# Altium PCB Steam_dev_kit_revised.PcbDoc (part 2 of 3)
Units mil, origin at the board's own origin, x right, y up, seen from the top; angles counter-clockwise.
Board outline 3928.81 x 3902.03 mil, 2 copper layers (Top Layer, Bottom Layer); 218 components, 238 nets, 968 pads, 458 vias.
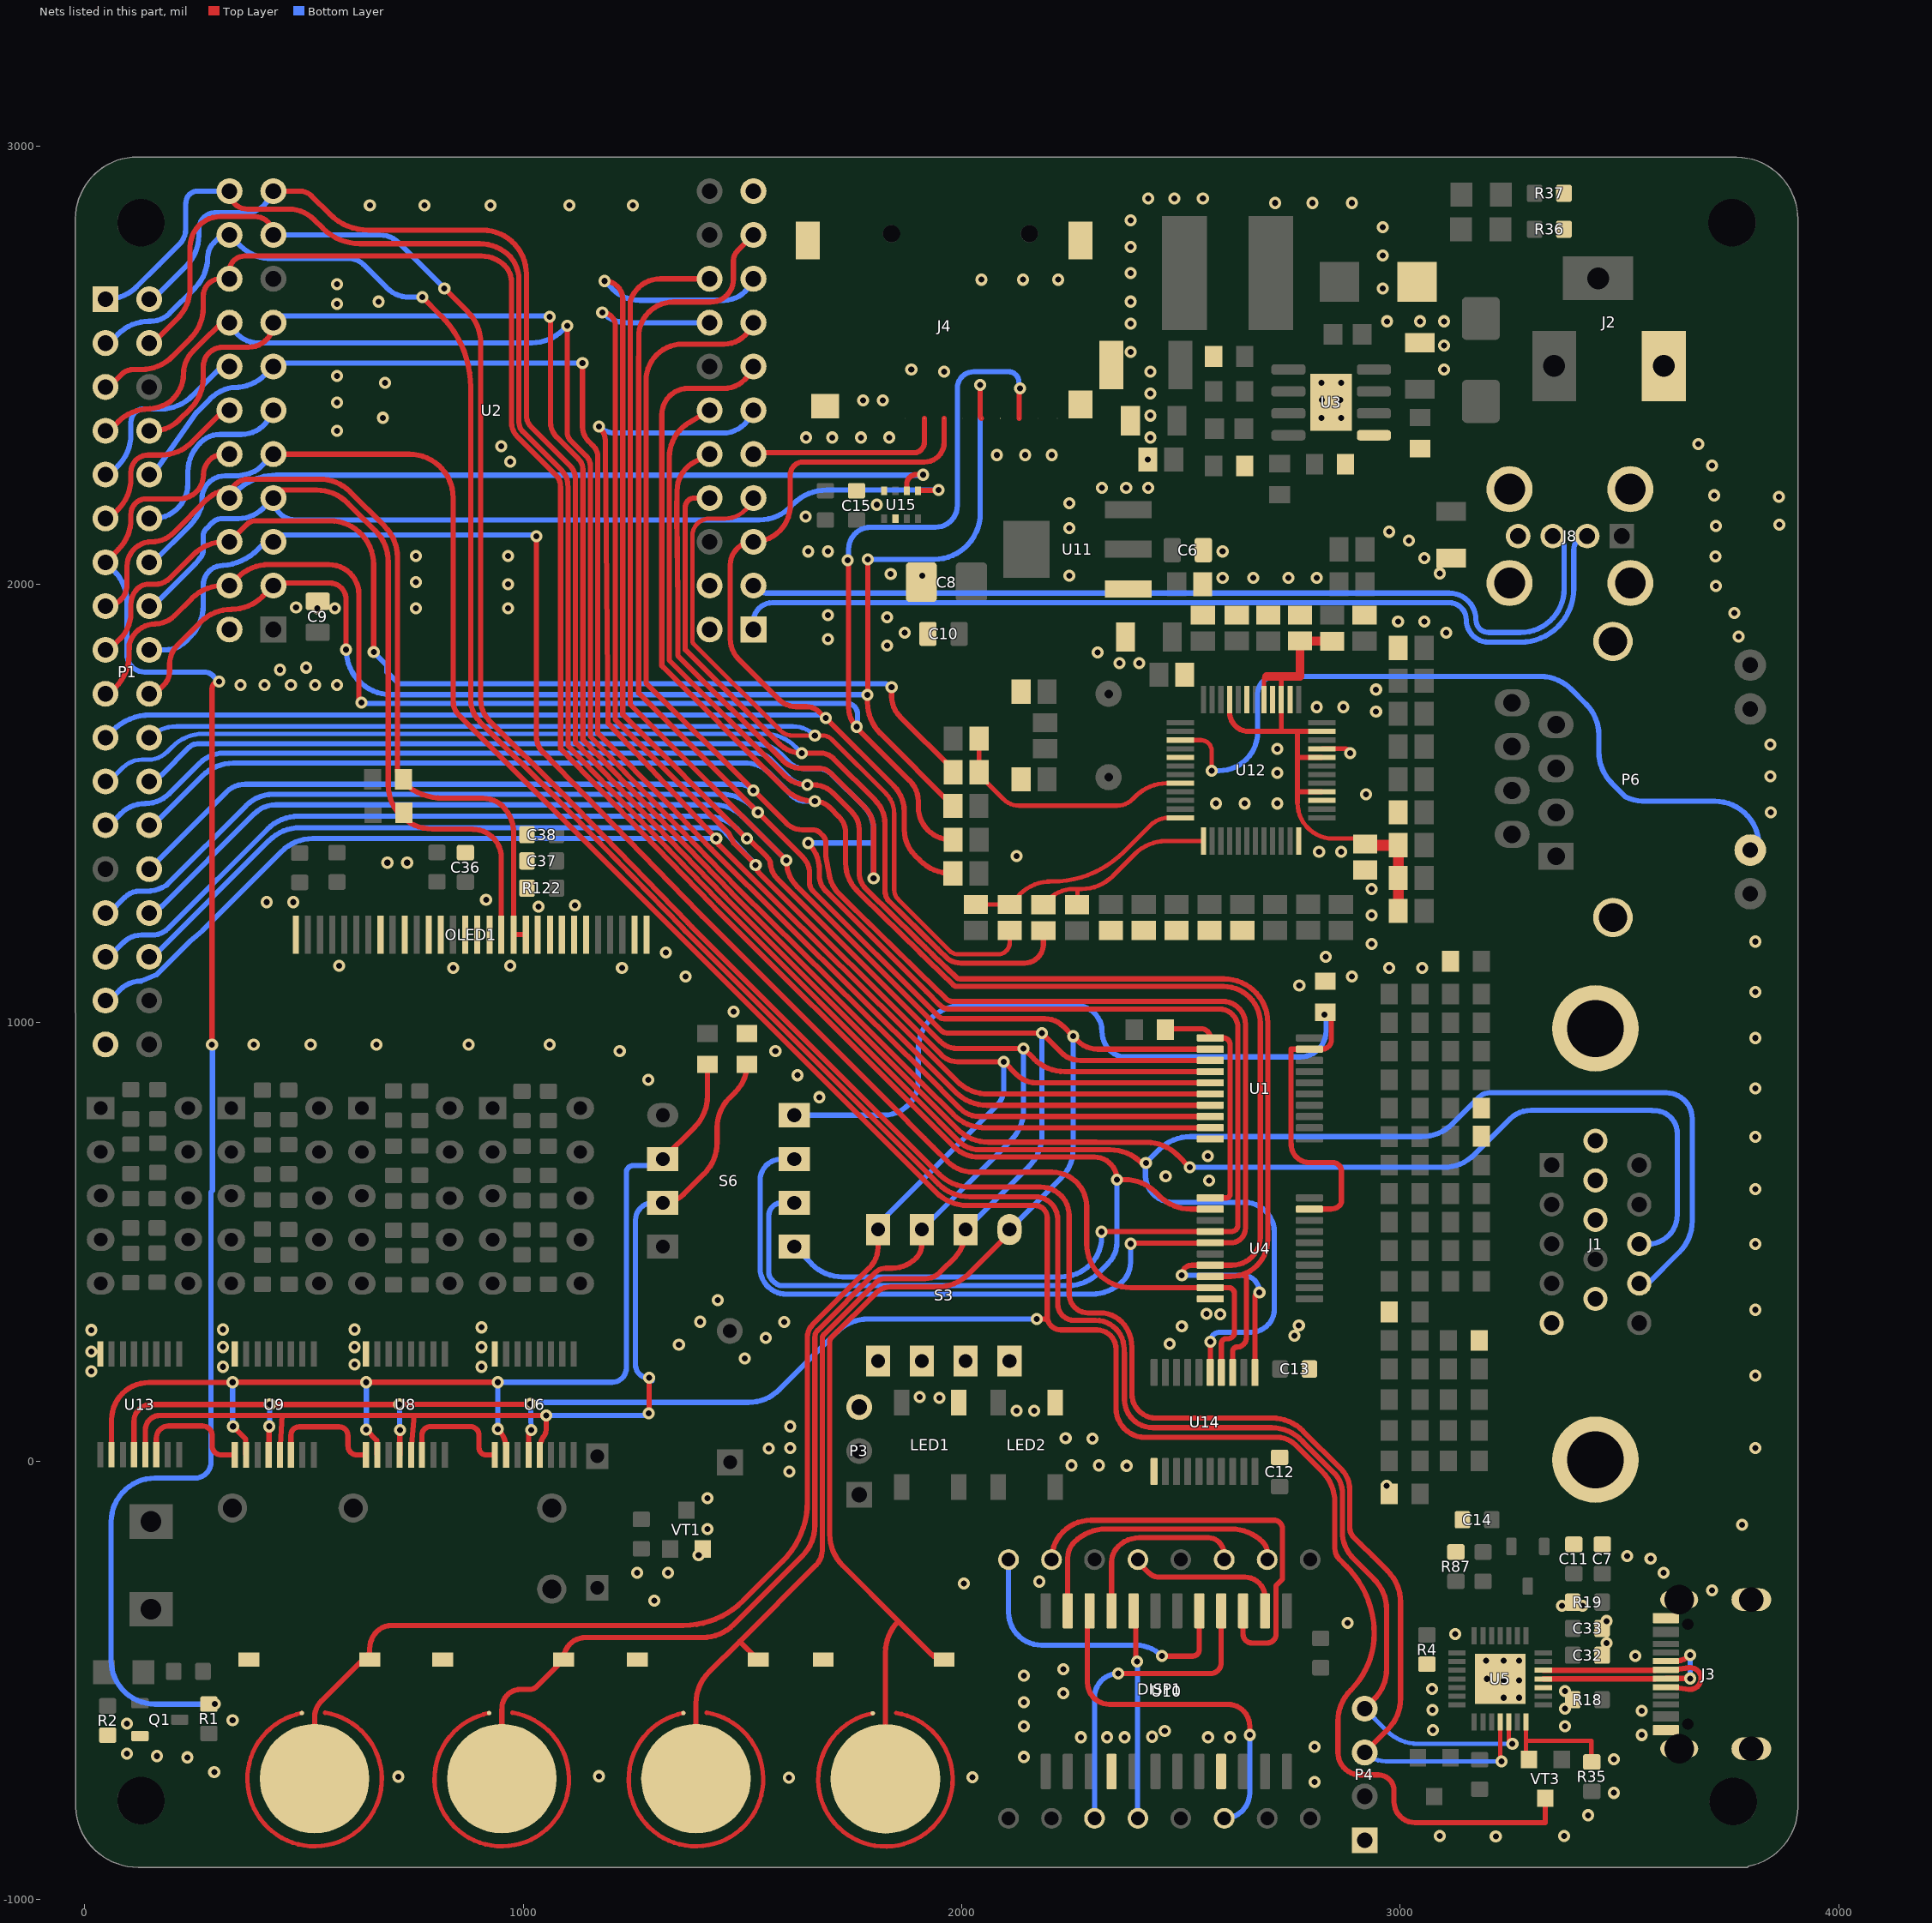
[diagram p2: the nets of this part, all layers, seen from the top]

## Via types
v1: diameter 27.56, hole 13.78, Top Layer to Bottom Layer, tented both sides, 454 vias
v2: diameter 27.56, hole 13.78, Top Layer to Bottom Layer, 2 vias
v3: diameter 140, hole 140, Top Layer to Bottom Layer, tented both sides, 2 vias

## Nets (pads, with @x,y where several pads share a name; then routed paths per layer and width w, separated by ;. In a path a pad name is that pad's centre, name@x,y a point inside that pad or via, vN(x,y) a via of type N, cw(c..) or ccw(c..) an arc to the next point about the centre after c; other vN are vias at no path point) (continued)
7SEG_LATCH: P1.14 U2.L9 U6.12 U8.12 U9.12 U13.12 VT3.3 | length 8217.6
  Top Layer w12: U13.12@112,14.3 112,90.43 cw(c150.57,90.43) 150.57,128.99 378.76,129 v1(422,129) v1(717,129) 717.22,129.22 1015.22,129.22 v1(1016,130) ; U9.12@419,14 420,15 420,78 v1(421,79) ; U2.L9@430,2297 740,2297 cw(c740,2197) 840,2197 840,1732.97 ccw(c883.8,1732.97) 852.83,1702 1058.63,1496.2 1942.54,612.29 ccw(c2013.25,683) 2013.25,583 2167,583 cw(c2167,555) 2195,555 2195,330 ccw(c2226,330) 2196.59,320.2 ; U8.12@718,14 718.5,14.5 718.5,70.5 v1(719,71) ; U6.12@1012,14 1012,56.51 cw(c1032.49,56.51) 1012.21,59.44 cw(c1032.49,56.51) 1012.58,61.37 cw(c1032.49,56.51) v1(1018,71) ; v1(2171.17,324) 2187.41,324 cw(c2187.41,311.02) 2196.59,320.2 ; VT3.3@3331,-769.29 3331,-825 3034,-825 cw(c3034,-777) 2986,-777 2986,-752.12 ccw(c2949.88,-752.12) 2949.96,-716 ccw(c2949.88,-752.12) 2949.88,-716 2908.99,-716 cw(c2909.01,-664.99) 2858,-664.94 2858,-593.42 cw(c2958,-593.42) 2887.25,-522.75 ccw(c2758,-393.42) 2940.84,-393.42 ccw(c2724.58,-393.42) 2877.49,-240.49 2877.44,-240.44 2861.61,-224.61 cw(c2887.21,-199) 2851,-199 2851,-94 ccw(c2752.02,-94) 2822.08,-24.08 2761.11,36.89 ccw(c2719.86,-4.28) 2719.89,54 2719.79,54 2418,54 cw(c2418,120) 2352,120 2352,255.35 ccw(c2308.35,255.35) 2308.35,299 2226,299 cw(c2226,330) 2196.59,320.2
  Bottom Layer w12: P1.14@155,2050 240.71,2135.71 ccw(c170,2206.42) 266.96,2181.96 266.96,2194.7 cw(c319.68,2194.7) 319.68,2247.42 350.08,2247.42 374.18,2252.65 ccw(c371.58,2264.37) 376.38,2253.37 cw(c436.15,2118.27) 386.28,2257.33 ccw(c382.17,2268.6) 387.38,2257.79 ccw(c382.17,2268.6) 387.92,2258.07 ccw(c359.79,2308.69) 397.68,2264.89 ccw(c359.79,2308.69) 400.73,2267.73 U2.L9@430,2297 ; v1(421,79) 421.5,79.5 421.5,128.5 v1(422,129) ; v1(717,129) 718,128 718,72 v1(719,71) ; v1(1018,71) v1(1016,130) 1018.98,132.98 1029.98,132.98 1030.78,133.78 1513.36,133.78 ccw(c1513.36,233.78) 1584.07,163.07 1715.71,294.71 cw(c1786.42,224) 1786.42,324 v1(2171.17,324) ccw(c2171.17,330.83) v1@2176,326
7SEG_PWM: R120.1 S6.3 U6.13 U8.13 U9.13 U13.13 | length 2451.8
  Top Layer w12: U13.13@138,14.3 138,70.99 cw(c171.01,70.99) 171.01,104 450,104 ; U9.13@445,14 446,37 450,104 ; U8.13@744,14 745,37 751,104 ; U6.13@1038,14 1038,29.2 cw(c1085.8,29.2) 1039,38.93 cw(c1085.8,29.2) 1045.29,54.57 ccw(c1029.08,70.78) 1049.41,60.2 ccw(c1029.08,70.78) 1052,70.78 v1(1052,104) 751,104 ; v1(1286,109) ccw(c1286,110) 1287,110 v1(1287,190) ; S6.3@1318,589 ccw(c1318,656.6) 1365.8,608.8 1412.71,655.71 ccw(c1342,726.42) 1442,726.42 1442,761 cw(c1536.15,761) 1469.58,827.58 1484.14,842.14 ccw(c1421.72,904.57) R120.1@1510,904.57 ; 450,104 751,104
  Bottom Layer w12: v1(1052,104) 1281,104 ccw(c1281,109) v1(1286,109) ; v1@1294,183 ccw(c1287,183) v1(1287,190) 1285,190 cw(c1285,219) 1256,219 1256,550 cw(c1295,550) 1295,589 S6.3@1318,589
7SEG_RESET: R32.2 S6.2 U6.10 U8.10 U9.10 U13.10 | length 2646.9
  Top Layer w12: U13.10@61,14.3 61,94 cw(c146,94) 146,179 299.22,179 ccw(c299.22,191) 299.47,179 v1(337,179.78) v1(641.22,179.78) v1(942.12,179.78) ; v1(338,79) 367,50 367,15 U9.10@368,14 ; v1(642,72) 642,71 666,47 666,15 U8.10@667,14 ; v1(942.12,73.12) cw(c896.53,27.53) 953.71,57.32 cw(c896.53,27.53) 960,38.84 cw(c896.53,27.53) 961,27.53 U6.10@961,14 ; S6.2@1318,689 1390.71,761.71 ccw(c1320,832.42) 1420,832.42 R32.2@1420,904.57
  Bottom Layer w12: v1(337,179.78) 337,80 v1(338,79) ; v1(641.22,179.78) cw(c641.22,179) 642,179 v1(642,72) ; v1(942.12,73.12) v1(942.12,179.78) 1202.78,179.78 ccw(c1202.78,212) 1235,212 1235,658 cw(c1251,658) 1251,674 1303,674 ccw(c1303,689) S6.2@1318,689
/INT: R12.2 R58.1 U12.36 | length 531.5
  Top Layer w10: R58.1@2032.24,1269.53 R12.2@2109.18,1269.53 2132.49,1292.84 cw(c2203.21,1222.13) 2195.76,1321.85 cw(c2203.21,1222.13) 2203.21,1322.13 2206.2,1322.13 ccw(c2206.21,1553.68) 2369.96,1389.96 2430.01,1450.01 cw(c2472.28,1407.72) 2472.28,1467.51 U12.36@2498.58,1467.51
/RESET: R11.2 R56.1 U12.37 | length 449.8
  Top Layer w10: R11.2@2186.12,1269.21 2198.51,1281.6 cw(c2255,1225.11) 2255,1305 2264.29,1305 ; R56.1@2263.06,1269.21 ccw(c2260.1,1272.18) 2264.29,1272.18 2264.29,1305 ; U12.37@2551.73,1414.36 2465.79,1414.36 ccw(c2465.79,1314.36) 2395.08,1385.08 2344.29,1334.29 cw(c2273.58,1405) 2273.58,1305 2264.29,1305
/SPI-SCS: R7.2 R59.1 U12.32 | length 583
  Top Layer w10: R59.1@2039.53,1648.32 R7.2@2039.53,1571.38 ccw(c2053.79,1571.38) 2043.7,1561.3 2095,1510 ccw(c2131.21,1546.21) 2131.21,1495 2353.79,1495 ccw(c2353.79,1546.21) 2389.99,1509.99 2396.97,1516.97 cw(c2467.68,1446.25) 2467.68,1546.25 U12.32@2498.58,1546.25
ACTLED: P6.10 U12.27 | length 1780.4
  Top Layer w10: U12.27@2498.58,1644.68 2545.08,1644.68 cw(c2545.08,1619.76) 2570,1619.76 v1(2570,1575)
  Bottom Layer w12: v1(2570,1575) 2586.81,1575 ccw(c2586.81,1663.19) 2605.67,1577.04 ccw(c2586.81,1663.19) 2674.46,1653.47 ccw(c2586.81,1663.19) 2675,1663.19 2675,1750.41 cw(c2714.59,1750.41) 2714.59,1790 3319.31,1790 cw(c3319.31,1690) 3361.41,1780.71 cw(c3319.31,1690) 3390.02,1760.71 3423.78,1726.96 cw(c3353.07,1656.25) 3453.07,1656.25 3453.07,1617.64 ccw(c3553.07,1617.64) 3482.36,1546.93 3514.42,1514.86 ccw(c3561.55,1622.55) 3561.55,1505 3717.99,1505 cw(c3717.99,1405) 3817.99,1405 P6.10@3817.99,1393.76
AVDD: C22.2 C23.1 L3.2 R60.1 R61.1 R62.1 U12.4 U12.8 U12.11 U12.15 U12.17 U12.21 | length 1351.8
  Top Layer w10: U12.17@2689.53,1737.2 2689.53,1784.53 cw(c2695,1784.53) 2695,1790 ; 2728.9,1668.26 U12.15@2728.9,1737.2 2728.9,1784.72 ; 2765.68,1501.69 ccw(c2847.37,1501.69) 2847.37,1420 2907.53,1420 cw(c2907.53,1407.53) C22.2@2920,1407.53 ; R62.1@2995.47,1404.53 R62.1@2995.47,1405
  Top Layer w12: U12.21@2610.79,1737.2 2610.79,1708.58 ccw(c2655,1708.58) 2655,1664.36 2765.68,1664.36 ; 2765.68,1501.69 2765.68,1526.57 ; U12.4@2821.42,1526.57 2765.68,1526.57 ; U12.8@2821.42,1605.31 2765.68,1605.31 ; U12.11@2821.42,1664.36 2765.68,1664.36 ; 2765.68,1526.57 2765.68,1605.31 ; 2765.68,1605.31 2765.68,1664.36
  Top Layer w20: 2695,1790 2771.53,1790 C23.1@2771.53,1870.74 2771.89,1870.37 L3.2@2844.84,1870.37
  Top Layer w25: C22.2@2924,1404.53 R62.1@2995.47,1404.53 ; R60.1@2995.47,1275 2995.94,1275 R62.1@2995.94,1404.53
B_DIR: R85.2 U1.1 U4.1 | length 559.7
  Top Layer w12: R85.2@2464,986 2546.17,986 cw(c2546.17,965.16) U1.1@2567.01,965.16 2597.07,965.16 cw(c2597.07,950.23) 2612,950.23 2612,608.64 cw(c2603.68,608.64) 2603.68,600.32 U4.1@2567.02,600.32
B_EN: R26.1 S6.8 U1.19 U4.19 | length 2214.6
  Top Layer w12: U4.19@2793,574.72 2842.02,574.72 ccw(c2842.02,602.98) 2862,583 ccw(c2852.34,592.66) 2866,592.66 2866,661 ccw(c2846,661) 2846,681 2792.53,681 cw(c2792.53,722.05) 2779.65,683.07 cw(c2792.53,722.05) 2751.81,716.91 cw(c2792.53,722.05) 2751.49,722.05 2751.1,728.11 cw(c2764.1,728.79) 2751.09,728.79 2751.09,939.57 U1.19@2792.99,939.57 2821.57,939.57 ccw(c2821.57,961) 2843,961 2843,1002 ccw(c2827,1002) v1(2827,1018)
  Bottom Layer w12: S6.8@1618,789 1822.35,789 ccw(c1822.35,867.44) 1900.79,867.44 1900.79,939 cw(c2000.79,939) 2000.79,1039 2261,1039 cw(c2261,980.07) 2319.93,980.21 2319.93,980.05 ccw(c2381.26,980.1) 2337.97,936.66 ccw(c2373.46,972.3) 2373.51,922 2772,922 ccw(c2772,981) 2831,981 2831,1014 ccw(c2829,1014) 2829,1016 cw(c2829,1018) v1(2827,1018)
C1: DISP1.13 U10.14 | length 364.5
  Top Layer w12: DISP1.13@2401.75,-225 ccw(c2413.82,-225) 2405.29,-233.54 2426.75,-255 ccw(c2450.89,-230.86) 2450.89,-265 2645.75,-265 cw(c2645.75,-311) 2691.75,-311 U10.14@2691.75,-341.73
C2: DISP1.3 U10.16 | length 728.4
  Top Layer w12: v1(2356.75,-485) 2566.75,-485 ccw(c2566.75,-460) 2574.06,-483.91 ccw(c2566.75,-460) 2590.66,-467.3 ccw(c2566.75,-460) 2591.75,-460 U10.16@2591.75,-341.73
  Bottom Layer w12: DISP1.3@2302.75,-815 2302.75,-539 cw(c2356.75,-539) 2303.92,-527.83 cw(c2356.75,-539) v1(2356.75,-485)
C3: DISP1.4 U10.20 | length 477.4
  Top Layer w12: U10.20@2391.75,-341.73 2396.77,-346.76 2396.77,-454.02 v1(2399.75,-457)
  Bottom Layer w12: v1(2399.75,-457) 2400.75,-458 2400.75,-814 DISP1.4@2401.75,-815
C4: DISP1.10 U10.23 | length 649.5
  Top Layer w12: U10.23@2241.75,-341.73 2241.75,-221.21 cw(c2292.96,-221.21) 2256.75,-185 cw(c2329.18,-257.43) 2329.18,-155 2614.32,-155 cw(c2614.32,-257.43) 2686.75,-185 cw(c2662.61,-209.14) 2696.75,-209.14 DISP1.10@2696.75,-225
C5: DISP1.6 U10.22 | length 836.3
  Top Layer w12: U10.22@2291.75,-341.73 ccw(c2291.75,-346.73) 2286.75,-346.73 2286.75,-505 ccw(c2336.75,-505) 2336.75,-555 2606.75,-555 cw(c2606.75,-605) 2656.75,-605 v1(2656.75,-625)
  Bottom Layer w12: DISP1.6@2598.75,-815 ccw(c2598.75,-757) 2656.75,-757 v1(2656.75,-625)
C6: DISP1.11 U10.21 | length 432
  Top Layer w12: U10.21@2341.75,-341.73 2341.75,-231.21 cw(c2392.96,-231.21) 2356.74,-195.01 cw(c2405.05,-243.31) 2405.05,-175 2562.61,-175 cw(c2562.61,-209.14) 2586.75,-185 cw(c2557.78,-213.97) 2598.75,-213.97 DISP1.11@2598.75,-225
C7: DISP1.15 U10.15 | length 986.9
  Top Layer w12: DISP1.15@2204.75,-225 cw(c2294.75,-225) 2294.75,-135 2712,-135 cw(c2712,-154.35) 2731.35,-154.35 2731.35,-269.65 2717,-284 2717,-394.75 cw(c2696.75,-394.75) 2696.75,-415 2661.75,-415 cw(c2661.75,-395) 2641.75,-395 U10.15@2641.75,-341.73
C8: DISP1.16 U10.17 | length 701.4
  Top Layer w12: v1(2456.75,-445) 2526.75,-445 ccw(c2526.75,-430) 2541.75,-430 U10.17@2541.75,-341.73
  Bottom Layer w12: DISP1.16@2106.75,-225 2106.75,-345 ccw(c2181.75,-345) 2181.75,-420 2396.77,-420 cw(c2396.77,-504.44) v1@2456.47,-444.72 ; v1@2456.48,-444.73 v1(2456.75,-445)
CPD_N: J3.A7 U5.5 | length 468.4
  Top Layer w12: U5.5@3326.42,-477.32 3552.47,-477.32 3582.47,-477.27 J3.A7@3606,-476.38 3629.53,-475.49 3657.74,-471.52 cw(c3661.19,-496.06) 3657.74,-520.6 3629.53,-516.64 J3.A7@3606,-515.75
CPD_P: J3.A6 U5.4 | length 452.3
  Top Layer w12: U5.4@3326.42,-497 3552.47,-497 3582.47,-496.95 J3.A6@3606,-496.06 v1(3661.19,-496.06) ; J3.A6@3606,-456.69 3629.53,-456.3 3639.13,-454.95 ccw(c3637.42,-443.07) 3640.88,-454.57 ccw(c3626.62,-407.8) 3646.33,-452.54 ccw(c3626.62,-407.8) v1(3661.19,-442.37)
  Bottom Layer w12: v1(3661.19,-496.06) v1(3661.19,-442.37) cw(c3667.37,-442.37) v1@3663,-438
D_N: J8.02 U2.1 | length 2154
  Bottom Layer w12: U2.1@1525,1915 cw(c1568,1915) 1568,1958 3085,1958 3112,1958 cw(c3112,1919.29) 3150.71,1919.29 ccw(c3202,1919.29) 3202,1868 3274,1868 ccw(c3274,1990) 3396,1989.87 ccw(c3274,1990) 3396,1990 3396,2079.43 cw(c3426.57,2079.43) 3396.28,2083.52 cw(c3426.57,2079.43) 3422.48,2109.72 cw(c3426.57,2079.43) J8.02@3426.57,2110
D_P: J8.03 U2.3 | length 2115.1
  Bottom Layer w12: U2.3@1525.88,2014.8 1525.67,2014.85 cw(c1514.67,2014.75) 1525.53,2013.02 ccw(c1553.62,2008.46) 1553.62,1980 3085,1980 3112,1980 ; 3112.03,1980 cw(c3112,1919.29) 3172.71,1919.29 ccw(c3202,1919.29) 3202,1890 3274,1890 ccw(c3274,1990) 3374,1990 3374,2083.83 ccw(c3347.83,2083.83) J8.03@3347.83,2110
DIG1_OUT: U6.9 U8.14 | length 271.6
  Top Layer w12: U8.14@769,14 769,59.5 cw(c788,59.5) 773.05,71.22 cw(c788,59.5) 788,78.5 879.5,78.5 cw(c879.5,59) 899,59 899,30.01 ccw(c915.01,30.01) 915.01,14 U6.9@935,14
DIG2_OUT: U8.9 U9.14 | length 273.5
  Top Layer w12: U9.14@470,14 470,59 cw(c489,59) 489,78 580,78 cw(c580,58) 600,58 600,34.5 ccw(c620.5,34.5) 620.5,14 U8.9@641,14
DIG3_OUT: U9.9 U13.14 | length 280.2
  Top Layer w12: U13.14@163,14.3 163,52 cw(c191,52) 165.42,63.39 cw(c191,52) 191,80 268,80 cw(c268,57.47) 289.02,65.57 cw(c268,57.47) 290.53,57.47 290.53,34.47 ccw(c311,34.47) 311,14 U9.9@342,14
DTR: R35.2 U5.28 VT3.2 | length 289.3
  Top Layer w10: U5.28@3287.05,-595.43 3287.05,-638.07 ; VT3.2@3293.6,-680.71 3287.05,-680.71 3287.05,-638.07 ; R35.2@3436,-686.54 3436,-638.07 3287.05,-638.07
GND: C3.1 C4.1 C5.1 C6.1 C7.1 C8.2 C9.1 C10.1 C11.1 C12.2 C13.1 C14.2 C15.1 C17.2 C18.2 C19.2 C20.2 C21.2 C22.1 C23.2 C25.2 C26.1 C28.1 C29.2 C30.2 C31.1 C32.1 C33.1 C36.1 C37.2 C38.2 D5.1 J1.5 J1.6 J1.7 J1.8 J1.10 J1.16 J1.17 J2.2 J3.A1/B12 J3.A12/B1 J3.SHLD J4.6 J4.SH J8.04 J8.S1 J8.S2 J8.S3 J8.S4 LED1.3-GND LED2.3-GND OLED1.1 OLED1.8 OLED1.10 OLED1.12 OLED1.13 OLED1.15 OLED1.16 OLED1.17 OLED1.21 OLED1.22 OLED1.23 OLED1.24 OLED1.25 OLED1.29 OLED1.30 P1.35 P3.3 P4.1 P6.13 P6.14 Q1.2 R2.1 R4.2 R14.2 R18.1 R19.1 R23.2 R26.2 R30.2 R36.1 R37.1 R38.2 R45.2 R47.2 R49.1 R51.2 R52.2 R53.2 R54.2 R55.2 R63.1 R67.1 R74.2 R75.2 R86.1 R87.2 R120.2 R122.2 S1.1 S2.1 S3.5 S3.6 S3.7 S3.8 S4.1 S5.1 TP1.2 TP2.2 TP3.2 TP4.2 U1.10 U2.2 U2.4 U2.21 U2.L2 U3.5 U3.9 U4.10 U5.3 U5.29 U6.8 U8.8 U9.8 U10.4 U10.9 U11.1 U12.3 U12.9 U12.14 U12.16 U12.19 U12.29 U12.48 U13.8 U14.11 U15.1 U15.7 VT1.2 | length 80.1
  Top Layer w10: U12.9@2821.42,1624.99 2876.01,1624.99 cw(c2876.01,1615) v1(2886,1615)
  Top Layer w12: C13.1@2801.41,206.59 2801.41,211.69 C13.1@2804.72,215
  other v1: 3218,-856 3090,-855 3374,-855 3429,-808 3487,-757 2805,-732 1606,-722 2024,-721 715,-720 1173,-719 295,-710 3487,-680 234,-676 2141.75,-675 164,-673 96.2,-667.9 2805,-652 2272,-630 2331.75,-630 2371.75,-630 2561.75,-630 2611.75,-630 2434,-629 3551,-625 2463,-616 3075,-614 2141.75,-605 3376,-605 96.2,-599 337,-591 3551,-570 3074,-568 3376,-565 2141.75,-550 3236,-540 3271,-540 2231.75,-530 3376,-525 3073,-520 3236,-500 3271,-500 3198,-497 2141.75,-490 2231.75,-475 3196,-455 3236,-455 3271,-455 3536,-445 3471,-415 3125.64,-394.64 2880,-369 3471,-365 3368.72,-330 3416,-330 1298.89,-318.89 3711,-295 2005,-279 2176.75,-275 1260,-255 1330,-255 3601,-255 3571,-223 3518,-217 1400,-215 1420,-155 3780,-145 1420,-85 2968.66,-56.12 1607,-24 2376,-11 2250,-10 2313,-10 1560,29 1609,30 3810,30 2298,51 2237,52 1609,79 2125,115 2165,115 1949,144 1904,146 3810,195 15,205 315,215 905,215 615,220 1505.36,233.78 15,250 315,260 615,260 905,260 1355,265 2474,267 1553,281 2759,286.06 14.72,299 315,300 615,300 905,305 2502,307 2769,309 1595,317 1403.13,317.66 2590,335 2558.28,336 3810,345 1443.74,366.94 3810,495 3810,620 2564,640 2465,650 2561.28,696 3810,740 1675,830 3810,850 1285,870 1625,880 1220,935 1575,935 385,950 515,950 665,950 875,950 1060,950 3810,965 1480,1025 3810,1070 2770,1085 1370,1105 2890,1105 840,1125 1225,1125 2975,1125 3050,1125 580,1130 970,1130 2830,1150 1325,1160 2935,1180 3810,1185 2935,1245 1035,1265 1117.74,1267.74 415,1275 475,1275 915,1280 2935,1305 690,1365 735,1365 2125,1380 2815,1390 2865,1390 3845,1480 2580,1500 2645,1500 2720,1500 2921.72,1521 3844,1562 2720,1570 2720,1625 3844,1634 2945,1710 2810,1720 2870,1720 2945,1760 355,1770 410,1770 470,1770 525,1770 575,1770 445,1805 505,1810 2360,1820 2405,1820 2310,1845 1830,1860 1695,1875 3772,1881 1870,1890 3105,1890 2995,1915 3055,1915 1830,1925 1695,1930 3762,1935 530,1945 570,1945 755,1945 965,1945 481.72,1947 3720,1996 965,2000 755,2005 2595,2015 2665,2015 2745,2015 2810,2015 1910,2020 2245,2020 1838,2024 3090,2025 3055,2060 3719,2064 755,2065 965,2065 1650,2075 1695,2075 2595,2075 3020,2100 2975,2120 2245.12,2128.14 3720,2133 3865,2136 1643.72,2155 1806.12,2181.5 2245,2185 3864,2200 3716,2203 2320,2220 2375,2220 2425,2220 3711,2271 970,2280 2424.47,2285 2080,2295 2145,2295 2205,2295 950,2315 3680,2320 1645,2335 1705,2335 1770,2335 1835,2335 2430,2335 575,2350 680,2380 2820,2380 2865,2380 2430,2385 575,2415 1775,2420 1820,2420 2821.34,2420.33 2863.51,2420.33 2430,2435 685,2460 2820,2460 2865,2460 575,2475 1960,2485 2430,2485 1885,2490 3100,2490 2385,2530 3100,2545 2385,2595 2970,2600 3045,2600 3100,2600 575,2640 670,2645 2385,2645 2960,2675 575,2685 2045,2695 2140,2695 2220,2695 2385,2710 2960,2750 2385,2770 2960,2815 2385,2830 650,2865 775,2865 925,2865 1105,2865 1250,2865 2715,2870 2800,2870 2890,2870 2425,2880 2485,2880 2550,2880
IO1: J1.13 P1.2 U2.L21 | length 5481.7
  Top Layer w12: U2.L21@430,2897 490.44,2897 cw(c490.44,2859.44) 516.97,2886.03 ; 517,2886 558.71,2844.29 ccw(c646.32,2931.9) 646.32,2808 907,2808 cw(c907,2708) 1007,2708 1007,2559.41 ; 1007.03,2559.37 1007.03,2386.18 ccw(c1046.18,2386.18) 1018.5,2358.5 1106.27,2270.73 cw(c1075.54,2240) 1119,2240 1119,1638.88 1457.14,1290.25 1459.34,1287.98 1461.87,1285.29 1893.58,853.58 1990.45,756.71 ccw(c2061.16,827.42) 2061.16,727.42 2306.98,727.42 cw(c2306.98,710.42) 2307.04,727.42 2421.58,727 cw(c2421.58,627) 2492.29,697.71 v1(2520,670)
  Bottom Layer w12: P1.2@155,2650 230.71,2725.71 ccw(c160,2796.42) 260,2796.42 260,2809.45 cw(c298.64,2809.5) 301.91,2848 378.4,2848 ccw(c360.7,2915) U2.L21@430,2915 ; v1(2520,670) 3098.58,670 ccw(c3098.58,770) 3169.29,699.29 3250,780 cw(c3298.28,731.72) 3298.28,800 3568.58,800 cw(c3568.58,700) 3580.04,799.34 cw(c3580.04,747.38) 3603.79,793.6 cw(c3580.04,747.38) 3632,747.38 3632,562 cw(c3565,562) J1.13@3565,495
IO2: J1.14 P1.1 U2.L22 U14.5 | length 6576.7
  Top Layer w12: U2.L22@330,2897 ccw(c371,2897) 371,2856 465,2856 cw(c465,2773.92) 523.03,2831.97 523.08,2831.92 543,2812 ccw(c627.5,2896.5) 627.5,2777 900.96,2777 cw(c900.88,2680.71) 970.04,2747.72 cw(c961.42,2739.36) 970.57,2747.13 cw(c907.74,2694.03) 990,2694.03 990,2552.37 ; 990.03,2552.33 990.03,2369.79 ccw(c1019.79,2369.79) 998.74,2348.76 1088.75,2258.75 1090.73,2256.22 cw(c1049.01,2223.55) 1101.48,2230.96 cw(c1089.58,2229.38) 1101.57,2229.86 1101.97,2220.63 ; 1101.97,2220.62 1102,2220 1102,1631.83 1444.87,1278.48 1448.59,1274.53 1896.56,826.56 1898.22,824.9 1993.72,729.4 ccw(c2040.46,776) 1993.79,729.33 ccw(c2040.46,776) 2032.28,710.51 ccw(c2033.72,722.42) 2033.67,710.42 2306.98,710.42 2338.58,710 cw(c2338.58,610) 2409.29,680.71 2410,680 v1(2420,680) ; U14.5@2566.59,202 2567.01,202 v1(2567.01,272.01)
  Bottom Layer w12: P1.1@47,2650.3 48.54,2650.3 70.53,2652.75 ccw(c48.54,2750.3) 114.22,2674.89 ccw(c106.31,2683.91) 114.77,2675.4 118.38,2679 cw(c147,2650.3) 118.42,2679.04 168.57,2728.91 168.95,2729.28 216.09,2776.43 ccw(c182.52,2810) 230,2810 230,2866.96 cw(c245.51,2866.96) 230.38,2870.38 cw(c257,2870.38) 257,2897 U2.L22@330,2897 ; v1(2420,680) 2419.07,658.03 ccw(c2481.61,652.76) 2481.61,590 2481.68,590 2645,590 cw(c2645,522) 2713,522 2713,347 cw(c2660,347) 2660,294 2589,294 ccw(c2589,272.01) v1(2567.01,272.01) ; v1(2420,680) 2450.71,710.71 cw(c2521.42,640) 2521.42,740 3048.58,740 ccw(c3048.58,840) 3119.29,769.29 3180,830 cw(c3204.14,805.86) 3204.14,840 3607,840 cw(c3607,781) 3640.29,829.71 cw(c3607,781) 3655.71,814.29 cw(c3607,781) 3666,781 3666,547.26 cw(c3566,547.26) 3636.71,476.55 J1.14@3565,404.84
IO3: P1.24 S6.5 U2.10 U4.4 | length 6017.2